# KiCad board MacroBoard-rounded.kicad_pcb
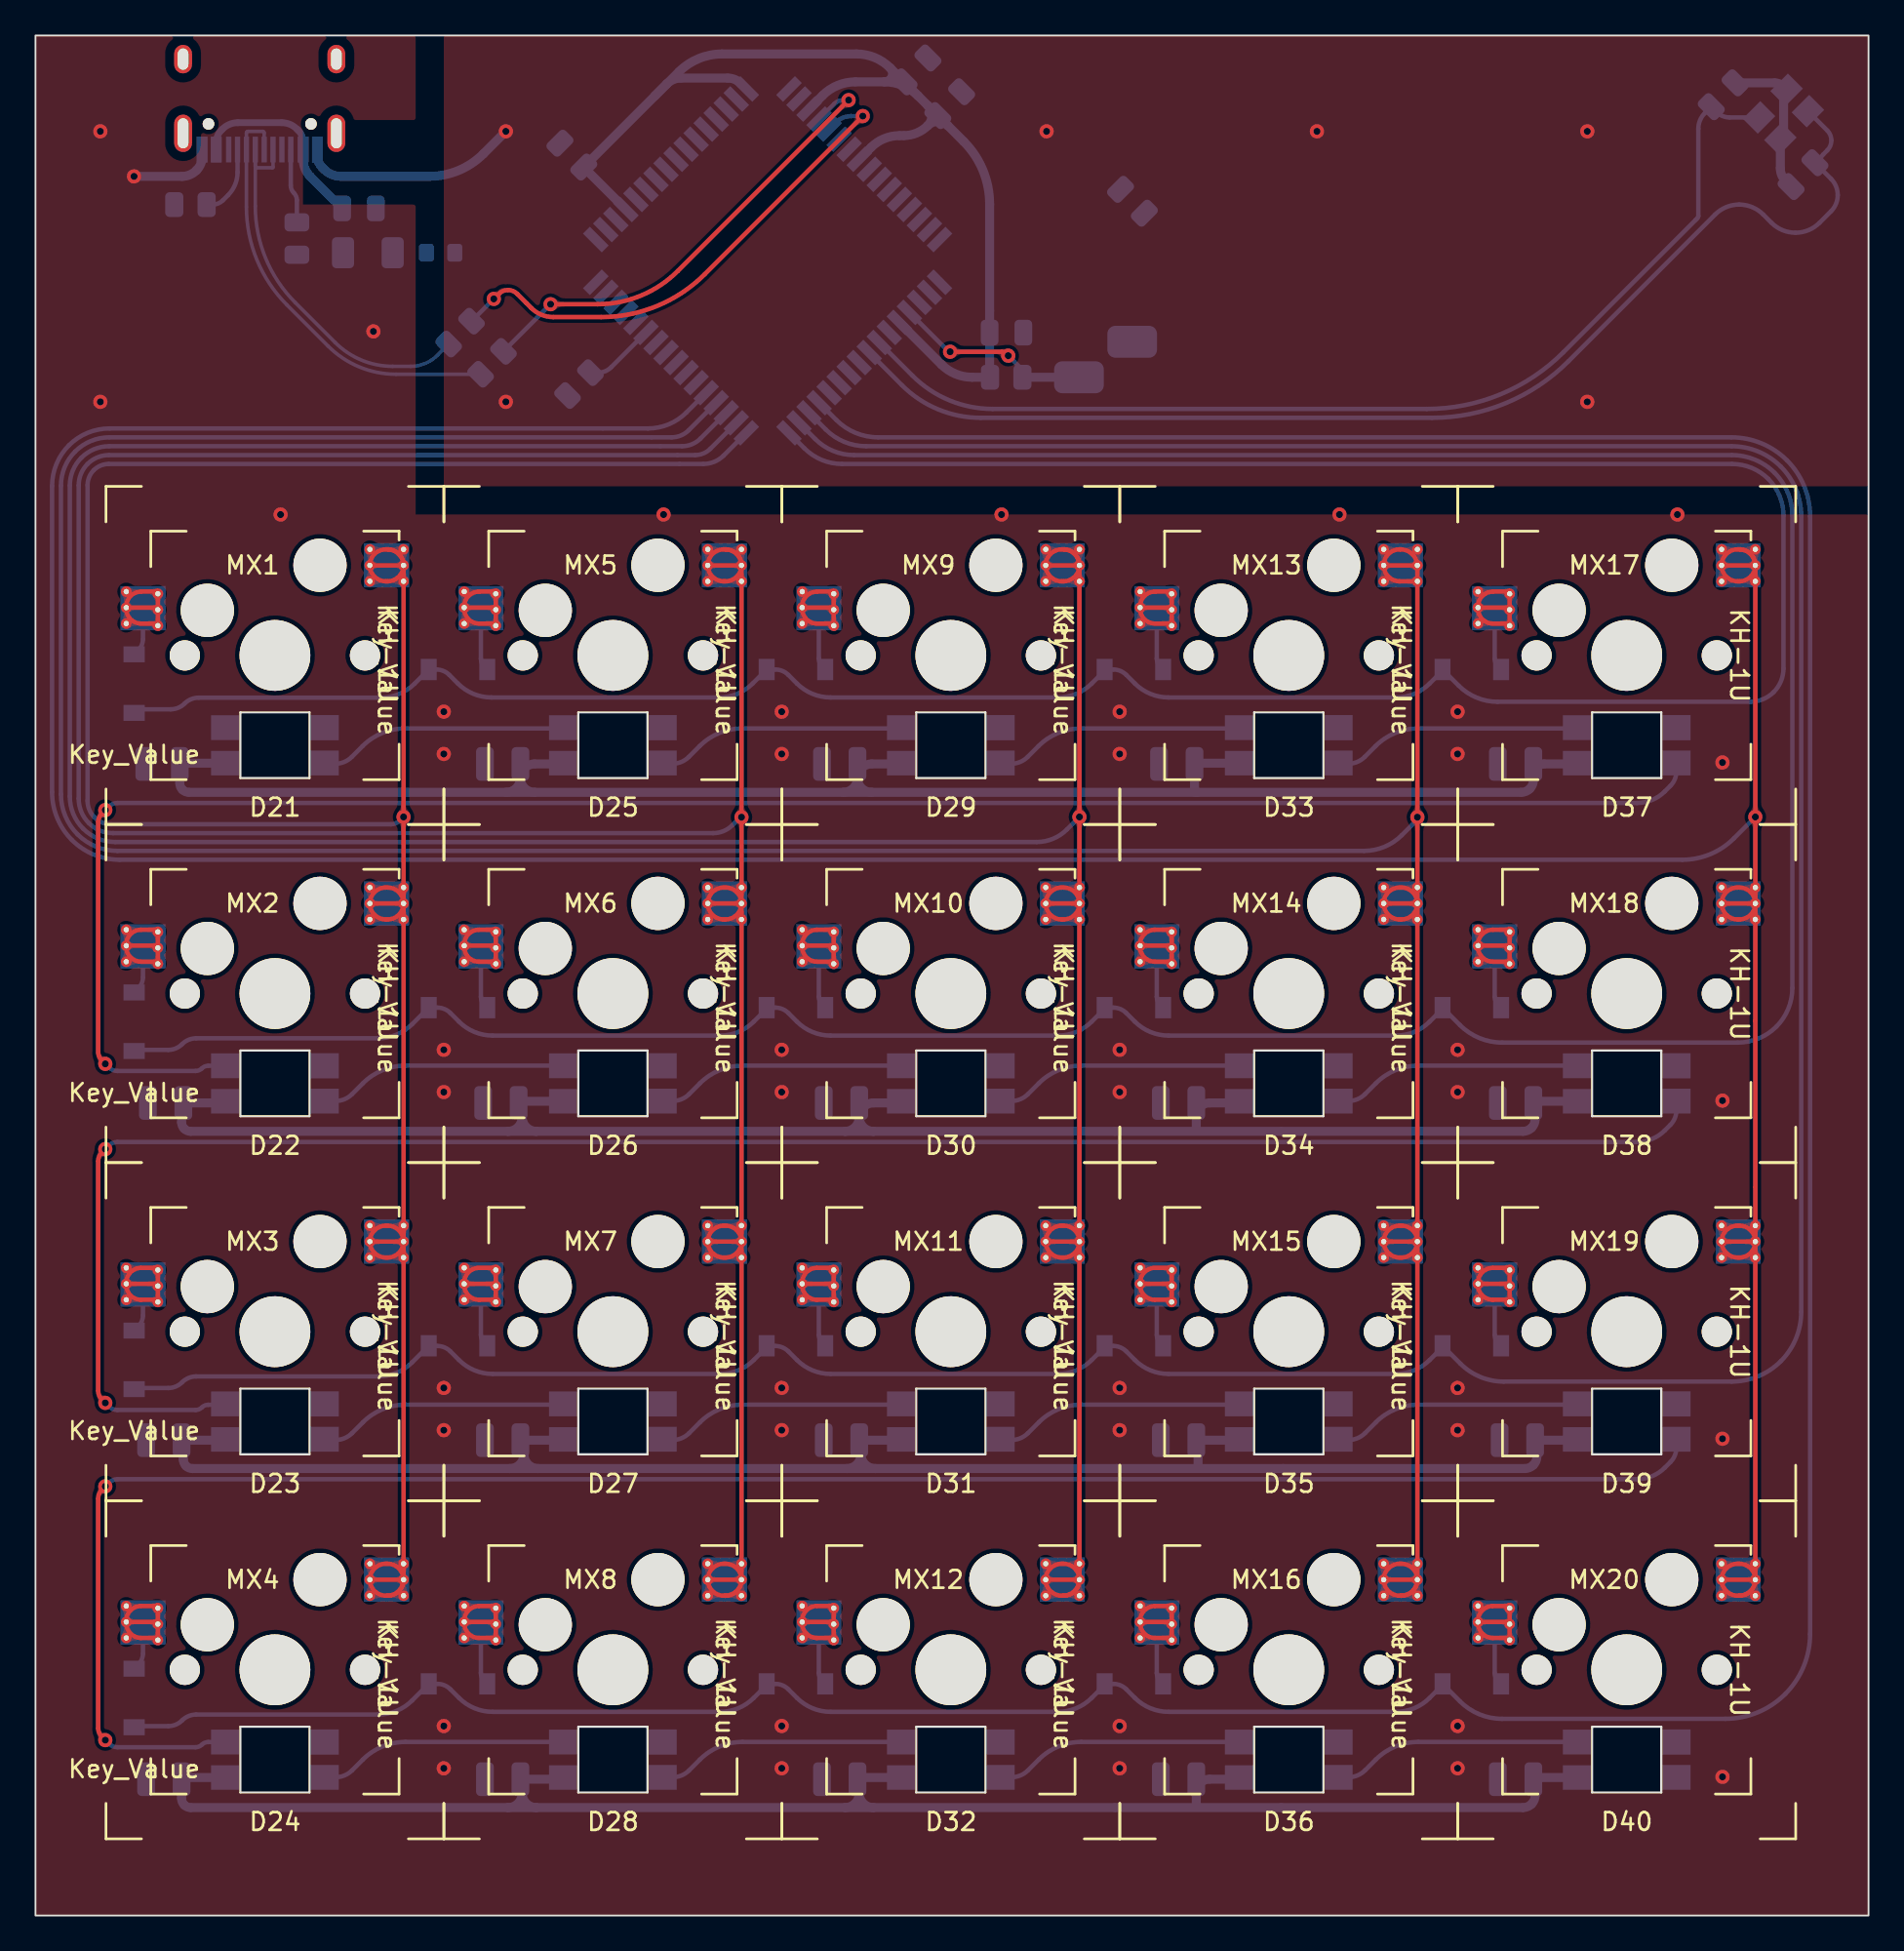
[diagram p0: board, top side]
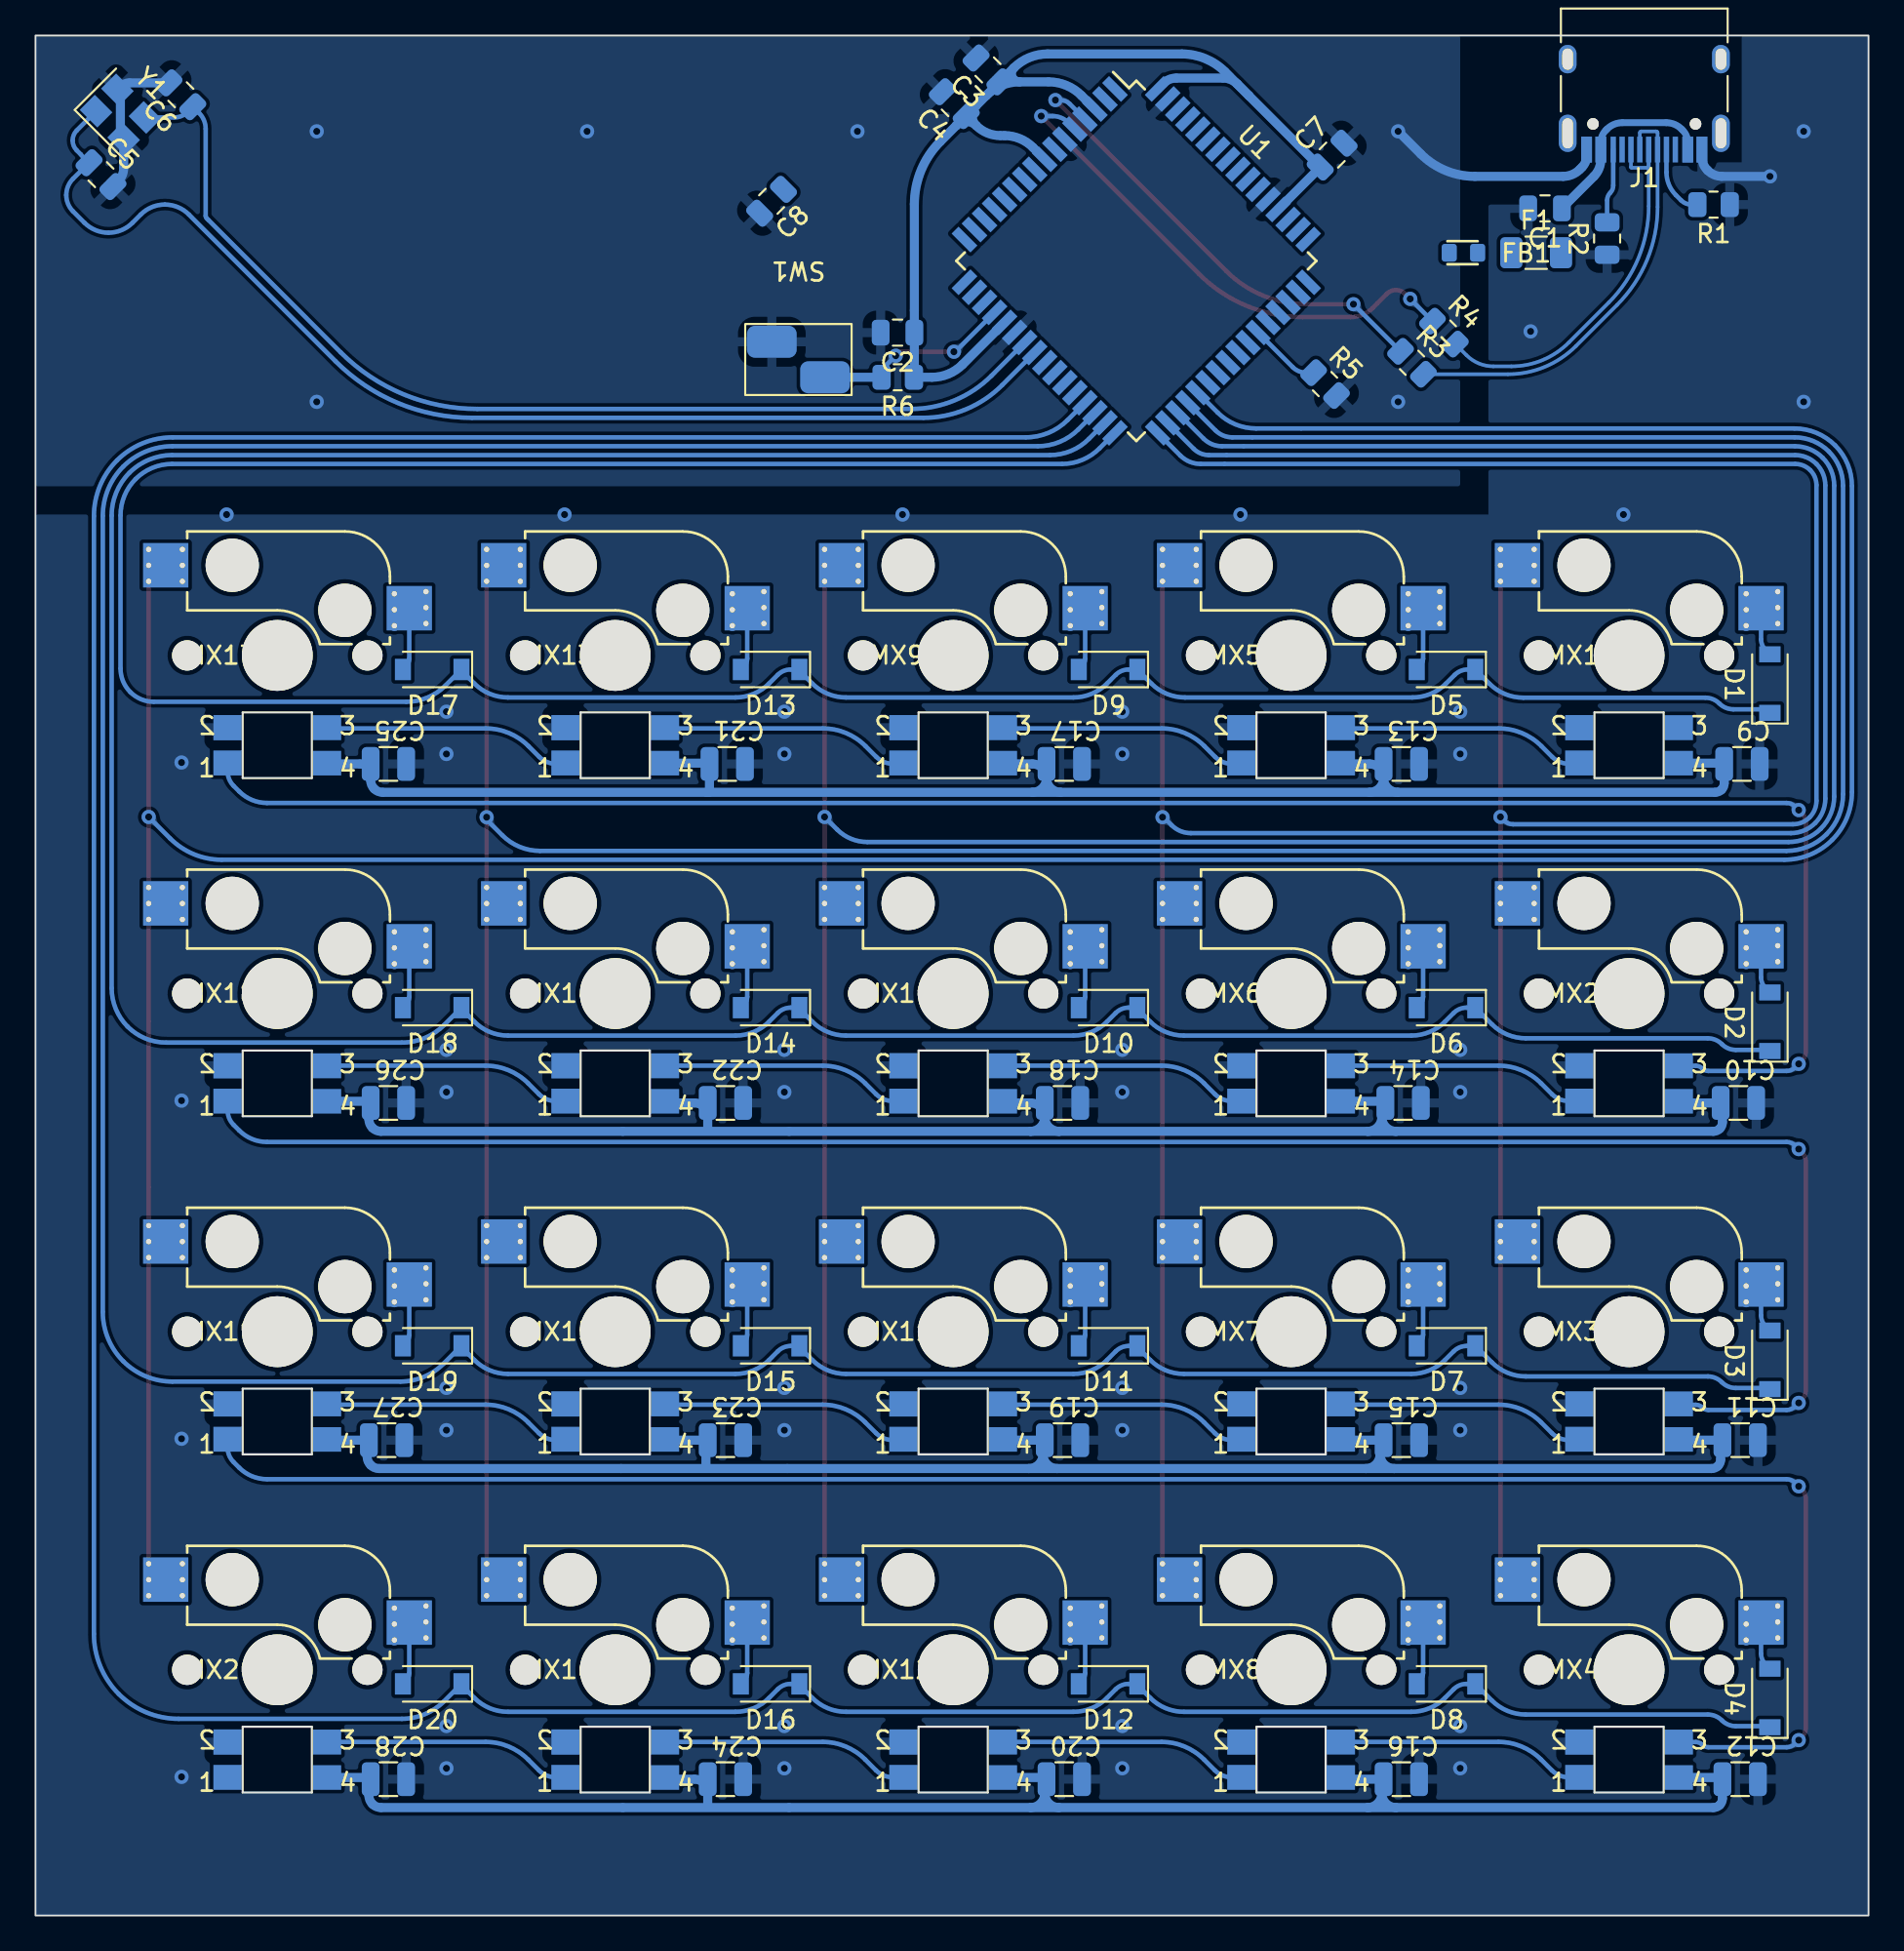
[diagram p1: board, bottom side, seen from below]

Outline 103.33 x 105.92 mm; copper layers: Top, Bottom. Coordinates in mm from the lower left corner of the outline.
Outline path: rectangle 0,105.92 103.33,0
Stack: Top 0.035mm / dielectric 1.51mm FR4 er 4.5 / Bottom 0.035mm

## Placement (name value [footprint] x y rotation side)
C1  10u  [C_0805_2012Metric]  18.24 96.18 0 bottom
C2  0.1uF  [C_0805_2012Metric]  54.74 89.18 0 bottom
C3  0.1uF  [C_0805_2012Metric]  49.64 103.98 45 bottom
C4  0.1uF  [C_0805_2012Metric]  51.54 102.08 45 bottom
C5  22pF  [C_0805_2012Metric]  99.64 98.08 225 bottom
C6  22pF  [C_0805_2012Metric]  95.14 102.58 45 bottom
C7  10uF  [C_0805_2012Metric]  30.24 99.18 135 bottom
C8  1uF  [C_0805_2012Metric]  61.84 96.58 315 bottom
C9  100nF  [led_capacitor]  7.14 64.88 180 bottom
C10  100nF  [led_capacitor]  7.34 45.78 180 bottom
C11  100nF  [led_capacitor]  7.24 26.78 180 bottom
C12  100nF  [led_capacitor]  7.24 7.68 180 bottom
C13  100nF  [led_capacitor]  26.34 64.88 180 bottom
C14  100nF  [led_capacitor]  26.24 45.78 180 bottom
C15  100nF  [led_capacitor]  26.34 26.78 180 bottom
C16  100nF  [led_capacitor]  26.34 7.68 180 bottom
C17  100nF  [led_capacitor]  45.34 64.88 180 bottom
C18  100nF  [led_capacitor]  45.44 45.78 180 bottom
C19  100nF  [led_capacitor]  45.44 26.78 180 bottom
C20  100nF  [led_capacitor]  45.34 7.68 180 bottom
C21  100nF  [led_capacitor]  64.34 64.88 180 bottom
C22  100nF  [led_capacitor]  64.44 45.78 180 bottom
C23  100nF  [led_capacitor]  64.44 26.78 180 bottom
C24  100nF  [led_capacitor]  64.44 7.68 180 bottom
C25  100nF  [led_capacitor]  83.44 64.88 180 bottom
C26  100nF  [led_capacitor]  83.44 45.78 180 bottom
C27  100nF  [led_capacitor]  83.54 26.78 180 bottom
C28  100nF  [led_capacitor]  83.44 7.68 180 bottom
D1  1.25V@150mA  [D_SOD-123]  5.56 69.41 90 bottom
D2  1.25V@150mA  [D_SOD-123]  5.56 50.36 90 bottom
D3  1.25V@150mA  [D_SOD-123]  5.56 31.31 90 bottom
D4  1.25V@150mA  [D_SOD-123]  5.56 12.26 90 bottom
D5  1.25V@150mA  [D_SOD-123]  23.82 70.2 0 bottom
D6  1.25V@150mA  [D_SOD-123]  23.82 51.15 0 bottom
D7  1.25V@150mA  [D_SOD-123]  23.82 32.1 0 bottom
D8  1.25V@150mA  [D_SOD-123]  23.82 13.05 0 bottom
D9  1.25V@150mA  [D_SOD-123]  42.87 70.2 0 bottom
D10  1.25V@150mA  [D_SOD-123]  42.87 51.15 0 bottom
D11  1.25V@150mA  [D_SOD-123]  42.87 32.1 0 bottom
D12  1.25V@150mA  [D_SOD-123]  42.87 13.05 0 bottom
D13  1.25V@150mA  [D_SOD-123]  61.92 70.2 0 bottom
D14  1.25V@150mA  [D_SOD-123]  61.92 51.15 0 bottom
D15  1.25V@150mA  [D_SOD-123]  61.92 32.1 0 bottom
D16  1.25V@150mA  [D_SOD-123]  61.92 13.05 0 bottom
D17  1.25V@150mA  [D_SOD-123]  80.97 70.2 0 bottom
D18  1.25V@150mA  [D_SOD-123]  80.97 51.15 0 bottom
D19  1.25V@150mA  [D_SOD-123]  80.97 32.1 0 bottom
D20  1.25V@150mA  [D_SOD-123]  80.97 13.05 0 bottom
D21  SK6812MINI  [SK6812MINI_3.5x3.7mm_SMD-Flipped-Back]  13.5 70.99 0 top
D22  SK6812MINI  [SK6812MINI_3.5x3.7mm_SMD-Flipped-Back]  13.5 51.94 0 top
D23  SK6812MINI  [SK6812MINI_3.5x3.7mm_SMD-Flipped-Back]  13.5 32.89 0 top
D24  SK6812MINI  [SK6812MINI_3.5x3.7mm_SMD-Flipped-Back]  13.5 13.84 0 top
D25  SK6812MINI  [SK6812MINI_3.5x3.7mm_SMD-Flipped-Back]  32.55 70.99 0 top
D26  SK6812MINI  [SK6812MINI_3.5x3.7mm_SMD-Flipped-Back]  32.55 51.94 0 top
D27  SK6812MINI  [SK6812MINI_3.5x3.7mm_SMD-Flipped-Back]  32.55 32.89 0 top
D28  SK6812MINI  [SK6812MINI_3.5x3.7mm_SMD-Flipped-Back]  32.55 13.84 0 top
D29  SK6812MINI  [SK6812MINI_3.5x3.7mm_SMD-Flipped-Back]  51.6 70.99 0 top
D30  SK6812MINI  [SK6812MINI_3.5x3.7mm_SMD-Flipped-Back]  51.6 51.94 0 top
D31  SK6812MINI  [SK6812MINI_3.5x3.7mm_SMD-Flipped-Back]  51.6 32.89 0 top
D32  SK6812MINI  [SK6812MINI_3.5x3.7mm_SMD-Flipped-Back]  51.6 13.84 0 top
D33  SK6812MINI  [SK6812MINI_3.5x3.7mm_SMD-Flipped-Back]  70.65 70.99 0 top
D34  SK6812MINI  [SK6812MINI_3.5x3.7mm_SMD-Flipped-Back]  70.65 51.94 0 top
D35  SK6812MINI  [SK6812MINI_3.5x3.7mm_SMD-Flipped-Back]  70.65 32.89 0 top
D36  SK6812MINI  [SK6812MINI_3.5x3.7mm_SMD-Flipped-Back]  70.65 13.84 0 top
D37  SK6812MINI  [SK6812MINI_3.5x3.7mm_SMD-Flipped-Back]  89.7 70.99 0 top
D38  SK6812MINI  [SK6812MINI_3.5x3.7mm_SMD-Flipped-Back]  89.7 51.94 0 top
D39  SK6812MINI  [SK6812MINI_3.5x3.7mm_SMD-Flipped-Back]  89.7 32.89 0 top
D40  SK6812MINI  [SK6812MINI_3.5x3.7mm_SMD-Flipped-Back]  89.7 13.84 0 top
F1  500mA  [Fuse_1206_3216Metric]  18.74 93.68 180 bottom
FB1  600R  [Ferrite_Bead_0603]  22.84 93.68 180 bottom
J1  USB_C_Receptacle_USB2.0  [USB_C_Receptacle_HRO_TYPE-C-31-M-12]  12.64 103.54 0 bottom
MX1  MX-NoLED  [Kailh-Hotswap-1U]  13.5 70.99 0 top
MX2  MX-NoLED  [Kailh-Hotswap-1U]  13.5 51.94 0 top
MX3  MX-NoLED  [Kailh-Hotswap-1U]  13.5 32.89 0 top
MX4  MX-NoLED  [Kailh-Hotswap-1U]  13.5 13.84 0 top
MX5  MX-NoLED  [Kailh-Hotswap-1U]  32.55 70.99 0 top
MX6  MX-NoLED  [Kailh-Hotswap-1U]  32.55 51.94 0 top
MX7  MX-NoLED  [Kailh-Hotswap-1U]  32.55 32.89 0 top
MX8  MX-NoLED  [Kailh-Hotswap-1U]  32.55 13.84 0 top
MX9  MX-NoLED  [Kailh-Hotswap-1U]  51.6 70.99 0 top
MX10  MX-NoLED  [Kailh-Hotswap-1U]  51.6 51.94 0 top
MX11  MX-NoLED  [Kailh-Hotswap-1U]  51.6 32.89 0 top
MX12  MX-NoLED  [Kailh-Hotswap-1U]  51.6 13.84 0 top
MX13  MX-NoLED  [Kailh-Hotswap-1U]  70.65 70.99 0 top
MX14  MX-NoLED  [Kailh-Hotswap-1U]  70.65 51.94 0 top
MX15  MX-NoLED  [Kailh-Hotswap-1U]  70.65 32.89 0 top
MX16  MX-NoLED  [Kailh-Hotswap-1U]  70.65 13.84 0 top
MX17  MX-NoLED  [Kailh-Hotswap-1U]  89.7 70.99 0 top
MX18  MX-NoLED  [Kailh-Hotswap-1U]  89.7 51.94 0 top
MX19  MX-NoLED  [Kailh-Hotswap-1U]  89.7 32.89 0 top
MX20  MX-NoLED  [Kailh-Hotswap-1U]  89.7 13.84 0 top
R1  5K1  [R_0805_2012Metric]  8.74 96.39 0 bottom
R2  5K1  [R_0805_2012Metric]  14.74 94.48 90 bottom
R3  22  [R_0805_2012Metric]  25.74 87.48 225 bottom
R4  22  [R_0805_2012Metric]  23.94 89.18 225 bottom
R5  10k  [R_0805_2012Metric]  30.64 86.28 225 bottom
R6  10k  [R_0805_2012Metric]  54.72 86.67 0 bottom
SW1  SW_Push  [switch_without_switch]  60.32 87.67 180 bottom
U1  AT90USB1286-AU  [TQFP-64_14x14mm_P0.8mm]  41.27 93.22 225 bottom
Y1  Crystal_GND24_Small  [Crystal_SMD_3225-4Pin_3.2x2.5mm]  98.54 101.48 225 bottom

## Library data of the parts
D1-D20 = -: Item: 1N4148W; LCSC: https://lcsc.com/product-detail/Switching-Diode_GOODWORK-1N4148W_C909967.html; Name: Esc

## Footprints (pads in the part's own frame, mm; a bottom-side part is the same pattern mirrored in y, then rotated)
C_0805_2012Metric
  rrect 1x1.45 smd: 1(-0.95,0) 2(0.95,0)
Crystal_SMD_3225-4Pin_3.2x2.5mm
  rect 1.4x1.2 smd: 1(-1.1,-0.85) 2(1.1,-0.85) 3(1.1,0.85) 4(-1.1,0.85)
D_SOD-123
  rect 0.9x1.2 smd: 1(-1.65,0) 2(1.65,0)
Ferrite_Bead_0603
  rrect 0.85x1 smd: 1(-0.8,0) 2(0.8,0)
Fuse_1206_3216Metric
  rrect 1.25x1.75 smd: 1(-1.4,0) 2(1.4,0)
Kailh-Hotswap-1U
  round 1.702 hole 1.702 unplated: (-5.08,0) (5.08,0)
  round 3 hole 3 unplated: (-3.81,2.54) (2.54,5.08)
  round 3.988 hole 3.988 unplated: (0,0)
  round 0.6 hole 0.3: 1(5.35,5.975) 1(5.35,5.075) 1(5.35,4.175) 1(7.25,5.975) 1(7.25,5.075) 1(7.25,4.175) 2(-8.38,3.595) 2(-8.38,2.695) 2(-8.38,1.795) 2(-6.6,3.475) 2(-6.6,2.575) 2(-6.6,1.675)
  rect 2.55x2.5 smd far side: 1(6.29,5.08) 2(-7.44,2.66)
led_capacitor
  rrect 1x1.9 smd: 1(-1,0) 2(1,0)
R_0805_2012Metric
  rrect 1.025x1.4 smd: 1(-0.912,0) 2(0.912,0)
SK6812MINI_3.5x3.7mm_SMD-Flipped-Back
  rect 1.6x1.4 smd far side: 1(2.8,-6.06) 3(-2.8,-4.07)
  rect 1.6x1.42 smd far side: 2(2.8,-4.07)
  rect 1.6x1.38 smd far side: 4(-2.8,-6.07)
switch_without_switch
  rrect 2.8x1.8 smd: 1(-1.5,1) 2(1.5,-1)
TQFP-64_14x14mm_P0.8mm
  rect 1.5x0.55 smd: 1(-7.7,6) 2(-7.7,5.2) 3(-7.7,4.4) 4(-7.7,3.6) 5(-7.7,2.8) 6(-7.7,2) 7(-7.7,1.2) 8(-7.7,0.4) 9(-7.7,-0.4) 10(-7.7,-1.2) 11(-7.7,-2) 12(-7.7,-2.8) 13(-7.7,-3.6) 14(-7.7,-4.4) 15(-7.7,-5.2) 16(-7.7,-6) 33(7.7,-6) 34(7.7,-5.2) 35(7.7,-4.4) 36(7.7,-3.6) 37(7.7,-2.8) 38(7.7,-2) 39(7.7,-1.2) 40(7.7,-0.4) 41(7.7,0.4) 42(7.7,1.2) 43(7.7,2) 44(7.7,2.8) 45(7.7,3.6) 46(7.7,4.4) 47(7.7,5.2) 48(7.7,6)
  rect 0.55x1.5 smd: 17(-6,-7.7) 18(-5.2,-7.7) 19(-4.4,-7.7) 20(-3.6,-7.7) 21(-2.8,-7.7) 22(-2,-7.7) 23(-1.2,-7.7) 24(-0.4,-7.7) 25(0.4,-7.7) 26(1.2,-7.7) 27(2,-7.7) 28(2.8,-7.7) 29(3.6,-7.7) 30(4.4,-7.7) 31(5.2,-7.7) 32(6,-7.7) 49(6,7.7) 50(5.2,7.7) 51(4.4,7.7) 52(3.6,7.7) 53(2.8,7.7) 54(2,7.7) 55(1.2,7.7) 56(0.4,7.7) 57(-0.4,7.7) 58(-1.2,7.7) 59(-2,7.7) 60(-2.8,7.7) 61(-3.6,7.7) 62(-4.4,7.7) 63(-5.2,7.7) 64(-6,7.7)
USB_C_Receptacle_HRO_TYPE-C-31-M-12
  round 0.65 hole 0.65 unplated: (-2.89,2.6) (2.89,2.6)
  rect 0.6x1.45 smd: A1(-3.25,4.045) A4(-2.45,4.045) A9(2.45,4.045) A12(3.25,4.045) B1(3.25,4.045) B4(2.45,4.045) B9(-2.45,4.045) B12(-3.25,4.045)
  rect 0.3x1.45 smd: A5(-1.25,4.045) A6(-0.25,4.045) A7(0.25,4.045) A8(1.25,4.045) B5(1.75,4.045) B6(0.75,4.045) B7(-0.75,4.045) B8(-1.75,4.045)
  oval 1x1.6 hole 0.6x1.2: S1(-4.32,-1.05) S1(4.32,-1.05)
  oval 1x2.1 hole 0.6x1.7: S1(-4.32,3.13) S1(4.32,3.13)

## Nets
+5V: C2.1 C3.1 C4.1 C7.1 C9.1 C10.1 C11.1 C12.1 C13.1 C14.1 C15.1 C16.1 C17.1 C18.1 C19.1 C20.1 C21.1 C22.1 C23.1 C24.1 C25.1 C26.1 C27.1 C28.1 D21.4 D22.4 D23.4 D24.4 D25.4 D26.4 D27.4 D28.4 D29.4 D30.4 D31.4 D32.4 D33.4 D34.4 D35.4 D36.4 D37.4 D38.4 D39.4 D40.4 FB1.1 R6.1 U1.3 U1.8 U1.21 U1.52 U1.64
GND: C1.2 C2.2 C3.2 C4.2 C5.2 C6.2 C7.2 C8.2 C9.2 C10.2 C11.2 C12.2 C13.2 C14.2 C15.2 C16.2 C17.2 C18.2 C19.2 C20.2 C21.2 C22.2 C23.2 C24.2 C25.2 C26.2 C27.2 C28.2 D21.2 D22.2 D23.2 D24.2 D25.2 D26.2 D27.2 D28.2 D29.2 D30.2 D31.2 D32.2 D33.2 D34.2 D35.2 D36.2 D37.2 D38.2 D39.2 D40.2 J1.A1 J1.A12 J1.B1 J1.B12 J1.S1 R1.1 R2.1 R5.2 SW1.1 U1.6 U1.22 U1.53 U1.63 Y1.2 Y1.4
VCC: C1.1 F1.2 J1.A4 J1.A9 J1.B4 J1.B9
COL0: MX1.1 MX2.1 MX3.1 MX4.1 U1.33
COL1: MX5.1 MX6.1 MX7.1 MX8.1 U1.34
COL2: MX9.1 MX10.1 MX11.1 MX12.1 U1.35
COL3: MX13.1 MX14.1 MX15.1 MX16.1 U1.36
COL4: MX17.1 MX18.1 MX19.1 MX20.1 U1.37
D+: J1.A6 J1.B6 R4.2
D-: J1.A7 J1.B7 R3.2
DataIN: D21.3
DataOUT: D40.1
ROW0: D1.1 D5.1 D9.1 D13.1 D17.1 U1.32
ROW1: D2.1 D6.1 D10.1 D14.1 D18.1 U1.31
ROW2: D3.1 D7.1 D11.1 D15.1 D19.1 U1.30
ROW3: D4.1 D8.1 D12.1 D16.1 D20.1 U1.29
Net-(C5-Pad1): C5.1 U1.24 Y1.1
Net-(C6-Pad1): C6.1 U1.23 Y1.3
Net-(C8-Pad1): C8.1 U1.7
Net-(D1-Pad2): D1.2 MX1.2
Net-(D2-Pad2): D2.2 MX2.2
Net-(D3-Pad2): D3.2 MX3.2
Net-(D4-Pad2): D4.2 MX4.2
Net-(D5-Pad2): D5.2 MX5.2
Net-(D6-Pad2): D6.2 MX6.2
Net-(D7-Pad2): D7.2 MX7.2
Net-(D8-Pad2): D8.2 MX8.2
Net-(D9-Pad2): D9.2 MX9.2
Net-(D10-Pad2): D10.2 MX10.2
Net-(D11-Pad2): D11.2 MX11.2
Net-(D12-Pad2): D12.2 MX12.2
Net-(D13-Pad2): D13.2 MX13.2
Net-(D14-Pad2): D14.2 MX14.2
Net-(D15-Pad2): D15.2 MX15.2
Net-(D16-Pad2): D16.2 MX16.2
Net-(D17-Pad2): D17.2 MX17.2
Net-(D18-Pad2): D18.2 MX18.2
Net-(D19-Pad2): D19.2 MX19.2
Net-(D20-Pad2): D20.2 MX20.2
Net-(D21-Pad1): D21.1 D25.3
Net-(D22-Pad1): D22.1 D26.3
Net-(D22-Pad3): D22.3 D37.1
Net-(D23-Pad1): D23.1 D27.3
Net-(D23-Pad3): D23.3 D38.1
Net-(D24-Pad1): D24.1 D28.3
Net-(D24-Pad3): D24.3 D39.1
Net-(D25-Pad1): D25.1 D29.3
Net-(D26-Pad1): D26.1 D30.3
Net-(D27-Pad1): D27.1 D31.3
Net-(D28-Pad1): D28.1 D32.3
Net-(D29-Pad1): D29.1 D33.3
Net-(D30-Pad1): D30.1 D34.3
Net-(D31-Pad1): D31.1 D35.3
Net-(D32-Pad1): D32.1 D36.3
Net-(D33-Pad1): D33.1 D37.3
Net-(D34-Pad1): D34.1 D38.3
Net-(D35-Pad1): D35.1 D39.3
Net-(D36-Pad1): D36.1 D40.3
Net-(F1-Pad1): F1.1 FB1.2
Net-(J1-PadA5): J1.A5 R1.2
Net-(J1-PadB5): J1.B5 R2.2
Net-(R3-Pad1): R3.1 U1.4
Net-(R4-Pad1): R4.1 U1.5
Net-(R5-Pad1): R5.1 U1.43
Net-(R6-Pad2): R6.2 SW1.2 U1.20

Pads without a net: J1 A8 B8; U1 1 2 9 10 11 12 13 14 15 16 17 18 19 25 26 27 28 38 39 40 41 42 44 45 46 47 48 49 50 51 54 55 56 57 58 59 60 61 62

## Via types
v1: diameter 0.8, hole 0.4, Top to Bottom, 68 vias

## Routing (per net, layer and track width the routed paths; a pad name or vN(x,y) marks a point on that pad's centre or on a via; arc(x,y) is an arc through that point)
+5V: length 465.8
  Bottom w0.508: 26.64,44.18 8.75,44.18 arc(8.55,44.22) 8.39,44.33 arc(8.27,44.5) 8.24,44.69 8.24,45.78 ; 26.64,44.18 28.24,44.18 ; 26.64,44.18 arc(27.2,44.42) 27.44,44.98 ; C28.1 84.48,7.73 arc(84.53,7.76) 84.59,7.77 D40.4 ; D21.4 8.21,64.92 arc(8.18,64.92) 8.16,64.9 arc(8.14,64.88) 8.14,64.85 8.14,63.79 arc(8.17,63.6) 8.29,63.43 arc(8.45,63.32) 8.65,63.28 26.54,63.28 ; D36.4 67.8,7.73 arc(67.75,7.69) 67.69,7.68 66.19,7.68 arc(65.66,7.46) 65.44,6.93 65.44,6.18 ; D34.4 67.8,45.83 arc(67.75,45.79) 67.69,45.78 66.19,45.78 arc(65.66,45.56) 65.44,45.03 65.44,44.28 ; 28.14,63.28 26.54,63.28 ; 28.14,63.28 45.54,63.28 ; 28.14,63.28 arc(27.57,63.52) 27.34,64.08 ; 26.54,63.28 arc(27.1,63.52) 27.34,64.08 ; D29.4 48.78,64.9 arc(48.75,64.89) 48.73,64.88 47.14,64.88 arc(46.57,64.65) 46.34,64.08 ; C23.1 67.78,26.78 arc(67.8,26.79) 67.83,26.8 D35.4 ; D28.4 29.7,7.73 arc(29.65,7.69) 29.59,7.68 C16.1 ; D25.4 29.73,64.9 arc(29.7,64.89) 29.68,64.88 28.14,64.88 arc(27.57,64.65) 27.34,64.08 ; D26.4 27.39,45.87 arc(27.33,45.86) 27.28,45.83 C14.1 ; U1.8 47.1,99.61 arc(47.84,100.11) 48.71,100.28 48.94,100.28 arc(49.67,100.43) 50.3,100.85 ; D39.4 86.88,26.8 arc(86.85,26.79) 86.83,26.78 C27.1 ; D30.4 48.75,45.83 arc(48.7,45.79) 48.64,45.78 47.24,45.78 arc(46.67,45.55) 46.44,44.98 ; 28.24,6.08 45.64,6.08 ; 28.24,6.08 26.64,6.08 ; 28.24,6.08 arc(27.67,6.32) 27.44,6.88 ; 45.64,6.08 47.24,6.08 ; 45.64,6.08 arc(46.2,6.32) 46.44,6.88 ; 84.64,26.78 84.64,25.86 arc(84.58,25.6) 84.44,25.38 arc(84.21,25.23) 83.95,25.18 47.34,25.18 ; 47.24,6.08 83.85,6.08 arc(84.11,6.13) 84.34,6.28 arc(84.48,6.5) 84.54,6.76 84.54,7.68 ; 47.24,6.08 arc(46.67,6.32) 46.44,6.88 ; 27.54,25.98 27.54,26.78 ; 27.54,25.98 arc(27.77,25.42) 28.34,25.18 ; 27.54,25.98 arc(27.3,25.42) 26.74,25.18 ; D24.4 8.39,7.77 arc(8.33,7.76) 8.28,7.73 arc(8.25,7.68) 8.24,7.62 8.24,6.59 arc(8.27,6.4) 8.39,6.23 arc(8.55,6.12) 8.75,6.08 26.64,6.08 ; U1.52 30.91,98.49 arc(30.91,98.5) 30.91,98.5 arc(30.91,98.51) 30.91,98.51 34.93,102.53 ; 50.3,101.97 51.43,100.85 ; 50.3,101.97 49.75,102.52 ; 50.3,101.97 arc(50.53,101.41) 50.3,100.85 ; 51.43,100.85 52.32,99.95 arc(53.41,98.33) 53.79,96.42 53.79,86.71 arc(53.79,86.69) 53.8,86.68 arc(53.8,86.67) 53.79,86.67 52.8,86.67 arc(51.87,86.85) 51.07,87.38 U1.21 ; 51.43,100.85 arc(50.86,101.08) 50.3,100.85 ; 47.14,63.28 45.54,63.28 ; 47.14,63.28 65.36,63.28 ; 47.14,63.28 arc(46.57,63.52) 46.34,64.08 ; 45.54,63.28 arc(46.1,63.52) 46.34,64.08 ; 65.36,63.28 65.51,63.28 ; 65.36,63.28 arc(65.39,63.3) 65.39,63.33 ; C10.1 10.54,45.78 arc(10.6,45.79) 10.65,45.83 D22.4 ; 46.44,6.88 46.44,7.68 ; 65.54,26.78 65.54,25.28 ; D31.4 48.78,26.8 arc(48.75,26.79) 48.73,26.78 C19.1 ; 34.93,102.53 35.59,103.19 ; 34.93,102.53 35.59,103.19 ; D37.4 86.88,64.9 arc(86.85,64.89) 86.83,64.88 85.04,64.88 arc(84.61,64.71) 84.44,64.28 84.44,63.96 arc(84.38,63.7) 84.24,63.48 arc(84.01,63.33) 83.75,63.28 65.51,63.28 ; 28.34,25.18 26.74,25.18 ; 28.34,25.18 45.74,25.18 ; 26.74,25.18 8.85,25.18 arc(8.65,25.22) 8.49,25.33 arc(8.37,25.5) 8.34,25.69 8.34,26.78 ; 46.54,25.98 46.54,26.78 ; 46.54,25.98 arc(46.77,25.42) 47.34,25.18 ; 46.54,25.98 arc(46.3,25.42) 45.74,25.18 ; U1.64 39.76,103.21 arc(39.42,103.44) 39.02,103.52 36.39,103.52 arc(35.95,103.44) 35.59,103.19 ; 45.74,25.18 47.34,25.18 ; C15.1 29.68,26.78 arc(29.7,26.79) 29.73,26.8 D27.4 ; 35.59,103.19 36.27,103.87 arc(37.39,104.62) 38.71,104.88 46.28,104.88 arc(47.31,104.68) 48.18,104.1 ; 27.44,44.98 27.44,45.78 ; 27.44,44.98 arc(27.67,44.42) 28.24,44.18 ; 65.51,63.28 arc(65.44,63.29) 65.39,63.33 ; C26.1 84.48,45.83 arc(84.53,45.86) 84.59,45.87 D38.4 ; 26.64,6.08 arc(27.2,6.32) 27.44,6.88 ; D23.4 10.68,26.8 arc(10.65,26.79) 10.63,26.78 C11.1 ; 49.75,102.52 48.18,104.1 ; 49.75,102.52 arc(48.88,103.11) 47.85,103.31 ; 47.85,103.31 46.22,103.31 arc(45.22,103.11) 44.37,102.54 U1.3 ; 47.85,103.31 arc(48.28,103.59) 48.18,104.1 ; C20.1 46.38,7.73 arc(46.43,7.76) 46.49,7.77 D32.4 ; D33.4 65.41,64.92 arc(65.38,64.92) 65.36,64.9 arc(65.34,64.88) 65.34,64.85 65.34,63.45 arc(65.35,63.39) 65.39,63.33 ; 84.54,45.78 84.54,44.86 arc(84.48,44.6) 84.34,44.38 arc(84.11,44.23) 83.85,44.18 47.24,44.18 ; 28.24,44.18 45.64,44.18 ; 45.64,44.18 47.24,44.18 ; 45.64,44.18 arc(46.2,44.42) 46.44,44.98 ; 47.24,44.18 arc(46.67,44.42) 46.44,44.98 ; 27.44,6.88 27.44,7.68